# Altium PCB Zilents_TKL.PcbDoc (part 3 of 3)
Units mm, origin at the board's own origin, x right, y up, seen from the top; angles counter-clockwise.
Board outline 1000 x 300 mm, 2 copper layers (Top Layer, Bottom Layer); 442 components, 289 nets, 1638 pads, 43 vias.
Unrouted connection lines stored in the file: 714.
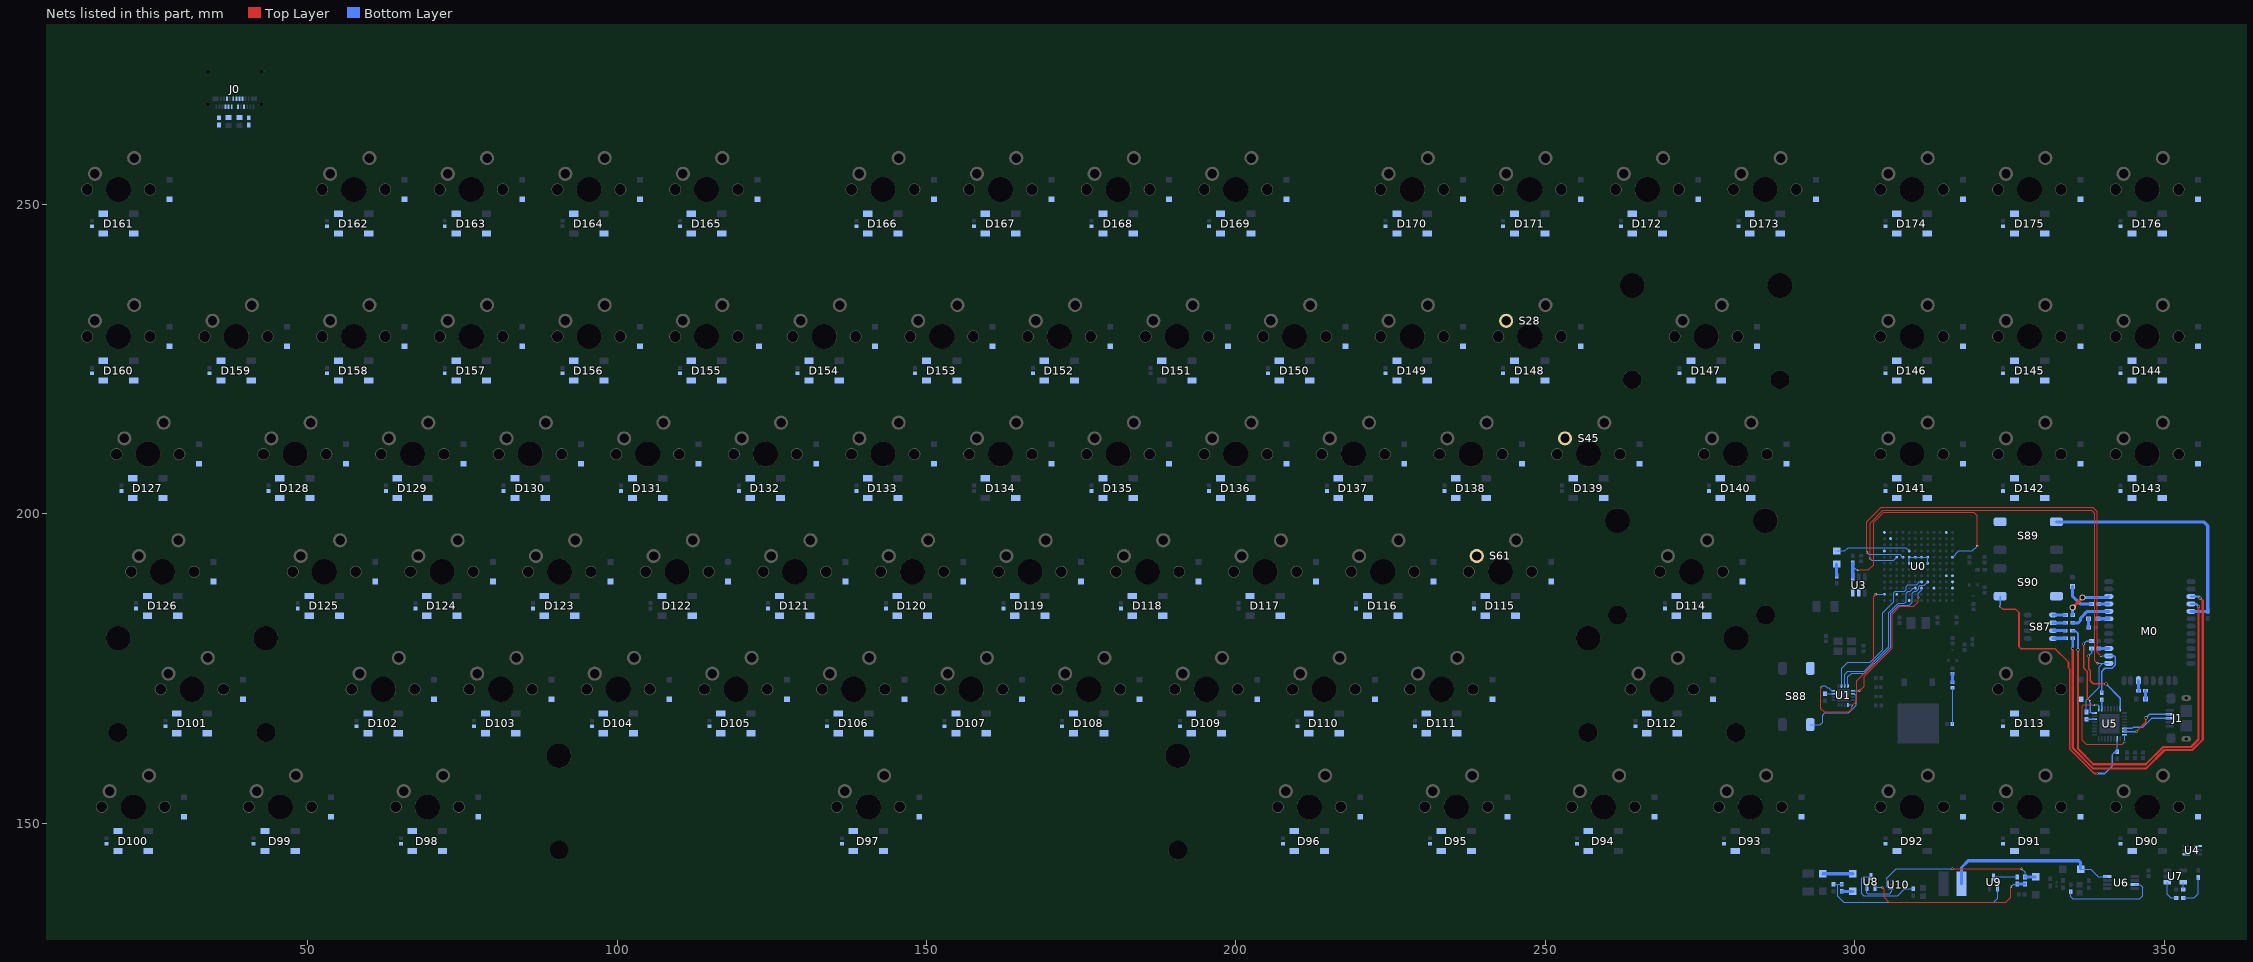
[diagram p3: the nets of this part, all layers, seen from the top]

## Via types
v1: diameter 0.35, hole 0.25, Top Layer to Bottom Layer, 30 vias
v2: diameter 0.5, hole 0.35, Top Layer to Bottom Layer, 9 vias
v3: diameter 1.009, hole 0.65, Top Layer to Bottom Layer, 2 vias
v4: diameter 0.3, hole 0.2, Top Layer to Bottom Layer, 2 vias

## Nets (pads, with @x,y where several pads share a name; then routed paths per layer and width w, separated by ;. In a path a pad name is that pad's centre, name@x,y a point inside that pad or via, vN(x,y) a via of type N, cw(c..) or ccw(c..) an arc to the next point about the centre after c; other vN are vias at no path point) (continued)
NetD94_2: D94.2 D95.4
NetD95_2: D95.2 D96.4
NetD96_2: D96.2 D97.4
NetD97_2: D97.2 D98.4
NetD98_2: D98.2 D99.4
NetD99_2: D99.2 D100.4
NetD100_2: D100.2 D101.4
NetD101_2: D101.2 D102.4
NetD102_2: D102.2 D103.4
NetD103_2: D103.2 D104.4
NetD104_2: D104.2 D105.4
NetD105_2: D105.2 D106.4
NetD106_2: D106.2 D107.4
NetD107_2: D107.2 D108.4
NetD108_2: D108.2 D109.4
NetD109_2: D109.2 D110.4
NetD110_2: D110.2 D111.4
NetD111_2: D111.2 D112.4
NetD112_2: D112.2 D113.4
NetD113_2: D113.2 D114.4
NetD114_2: D114.2 D115.4
NetD115_2: D115.2 D116.4
NetD116_2: D116.2 D117.4
NetD117_2: D117.2 D118.4
NetD118_2: D118.2 D119.4
NetD119_2: D119.2 D120.4
NetD120_2: D120.2 D121.4
NetD121_2: D121.2 D122.4
NetD122_2: D122.2 D123.4
NetD123_2: D123.2 D124.4
NetD124_2: D124.2 D125.4
NetD125_2: D125.2 D126.4
NetD126_2: D126.2 D127.4
NetD127_2: D127.2 D128.4
NetD128_2: D128.2 D129.4
NetD129_2: D129.2 D130.4
NetD130_2: D130.2 D131.4
NetD131_2: D131.2 D132.4
NetD132_2: D132.2 D133.4
NetD133_2: D133.2 D134.4
NetD134_2: D134.2 D135.4
NetD135_2: D135.2 D136.4
NetD136_2: D136.2 D137.4
NetD137_2: D137.2 D138.4
NetD138_2: D138.2 D139.4
NetD139_2: D139.2 D140.4
NetD140_2: D140.2 D141.4
NetD141_2: D141.2 D142.4
NetD142_2: D142.2 D143.4
NetD143_2: D143.2 D144.4
NetD144_2: D144.2 D145.4
NetD145_2: D145.2 D146.4
NetD146_2: D146.2 D147.4
NetD147_2: D147.2 D148.4
NetD148_2: D148.2 D149.4
NetD149_2: D149.2 D150.4
NetD150_2: D150.2 D151.4
NetD151_2: D151.2 D152.4
NetD152_2: D152.2 D153.4
NetD153_2: D153.2 D154.4
NetD154_2: D154.2 D155.4
NetD155_2: D155.2 D156.4
NetD156_2: D156.2 D157.4
NetD157_2: D157.2 D158.4
NetD158_2: D158.2 D159.4
NetD159_2: D159.2 D160.4
NetD160_2: D160.2 D161.4
NetD161_2: D161.2 D162.4
NetD162_2: D162.2 D163.4
NetD163_2: D163.2 D164.4
NetD164_2: D164.2 D165.4
NetD165_2: D165.2 D166.4
NetD166_2: D166.2 D167.4
NetD167_2: D167.2 D168.4
NetD168_2: D168.2 D169.4
NetD169_2: D169.2 D170.4
NetD170_2: D170.2 D171.4
NetD171_2: D171.2 D172.4
NetD172_2: D172.2 D173.4
NetD173_2: D173.2 D174.4
NetD174_2: D174.2 D175.4
NetD175_2: D175.2 D176.4
NetD177_1: D177.1 U0.D8 | length 12.2
  Bottom Layer w0.178: D177.1@297.05,193.95 298.35,193.95 298.884,194.484 308.226,194.484 U0.D8@308.76,193.95
NetD177_2: D177.2 R7.2 | length 2
  Bottom Layer w0.5: R7.2@297.05,189.9 D177.2@297.05,191.85
NetD178_2: D178.2 R13.2 | length 1.4
  Bottom Layer w0.5: D178.2@346.95,170 R13.2@346.95,171.375
NetD179_2: D179.2 R19.2 | length 1.4
  Bottom Layer w0.5: D179.2@337.75,183 337.75,181.625 R19.2@337.775,181.6
NetD180_2: D180.2 R12.2 | length 5.2
  Bottom Layer w0.5: D180.2@335.175,188.205 335.175,186.6 336.375,185.4 R12.2@338.225,185.4
NetD181_2: D181.2 R25.1 | length 5.3
  Bottom Layer w0.178: R25.1@353.04,137.903 354.8,137.903 355.45,138.553 D181.2@355.45,141.192
NetD184_1: D184.1 L0.1 U6.8 | length 28.3
  Bottom Layer w0.178: D184.1@336.46,142.55 338.1,142.55 339.306,141.344 U6.8@340.79,141.344
  Bottom Layer w0.5: L0.1@317.21,140.194 317.21,142.81 318.3,143.9 336.16,143.9 336.46,143.6 D184.1@336.46,142.55
NetF0_2: F0.2 FB0.1 | length 1.4
  Bottom Layer w0.5: F0.2@315.76,172.73 FB0.1@315.76,174.12
NetJ0_A5: J0.A5 R2.2
NetJ0_A6: J0.A6 J0.B6 R4.1
NetJ0_A7: J0.A7 J0.B7 R5.1
NetJ0_B5: J0.B5 R1.2
NetJ1_2: J1.2 U5.15 | length 8.9
  Top Layer w0.25: v2(345.5,164.775) 347,166.275 v2(347,167)
  Bottom Layer w0.25: U5.15@343.55,164.775 v2(345.5,164.775) ; v2(347,167) 347.55,167.55 J1.2@350.847,167.55
NetJ1_3: J1.3 U5.14 | length 8
  Bottom Layer w0.25: U5.14@343.55,165.275 344.78,165.275 345.005,165.5 346.525,165.5 347.925,166.9 J1.3@350.847,166.9
NetM0_5: M0.5 R18.2 S89.3 S89.4 | length 41.2
  Bottom Layer w0.5: S89.4@332.55,198.65 356.35,198.65 357,198 R18.2@357,184.2 M0.5@354.3,184.2
NetR0_1: R0.1 U1.3 | length 1.4
  Bottom Layer w0.178: R0.1@295.15,170.875 U1.3@296.55,170.875
NetR3_2: R3.2 U0.E1 U3.1 | length 40.4
  Top Layer w0.178: v1(300.5,190.9) 302.15,190.9 303,191.75 303,198.605 304.616,200.221 319.179,200.221 319.75,199.65 v1(319.75,194.75)
  Bottom Layer w0.178: 299.65,191.5 300.24,190.91 300.49,190.91 v1(300.5,190.9) ; U0.E1@315.76,192.95 316.76,193.95 318.95,193.95 v1(319.75,194.75)
  Bottom Layer w0.5: U3.1@299.65,189.705 299.65,191.5 R3.2@299.65,192.025
NetR4_2: R4.2 U0.H1
NetR5_2: R5.2 U0.H2
NetR8_1: R8.1 U5.30 | length 1.3
  Bottom Layer w0.25: R8.1@337.4,166.775 U5.30@338.7,166.775
NetR9_1: R9.1 U5.2 | length 1.5
  Bottom Layer w0.25: U5.2@339.875,168.45 R9.1@339.875,169.925
NetR10_1: R10.1 U5.32 | length 13.7
  Top Layer w0.25: v2(336.95,178.95) 336.95,175.05 337.5,174.5 337.5,170.45 337.5,170.2 v1(338,169.7)
  Bottom Layer w0.178: U5.32@338.694,167.781 U5.32@338.7,167.775
  Bottom Layer w0.25: v2(336.95,178.95) 337.4,179.4 R10.1@338.225,179.4 ; v1(338,169.7) 338,167.9 338.119,167.781 U5.32@338.694,167.781
NetR11_1: R11.1 U5.8 | length 13.3
  Top Layer w0.25: v2(337.75,177) 337.75,174.908 338,174.658 338,173 338.5,172.5 v2(340.55,172.5)
  Bottom Layer w0.25: v2(337.75,177) 338.225,177.475 R11.1@338.225,178.2 ; v2(340.55,172.5) 342.875,170.175 U5.8@342.875,168.45
NetR14_2: R14.2 S87.5 | length 2
  Bottom Layer w0.5: S87.5@332,183.615 R14.2@334.025,183.615
NetR15_2: R15.2 S87.6 | length 2
  Bottom Layer w0.5: S87.6@332,182.345 R15.2@334.025,182.345
NetR16_2: R16.2 S87.7 | length 2
  Bottom Layer w0.5: S87.7@332,181.075 R16.2@334,181.075
NetR17_2: R17.2 S87.8 | length 2
  Bottom Layer w0.5: S87.8@332,179.805 332.05,179.855 R17.2@334.025,179.855
NetR20_1: R20.1 S90.3 S90.4 U5.18 | length 47.7
  Top Layer w0.25: v1(323.45,185) 323.95,184.5 326,184.5 326.5,184 326.5,178.5 326.874,178.126 332.374,178.126 334.5,176 334.5,175.05 334.723,174.827 334.723,161.927 338.65,158 v1(339.175,158)
  Bottom Layer w0.2: R20.1@342.375,161.515 U5.18@342.375,163.6
  Bottom Layer w0.25: v1(323.45,185) S90.4@323.45,186.65 ; v1(339.175,158) 340.375,158 341.544,159.169 341.544,161 342.059,161.515 R20.1@342.375,161.515
NetR21_1: R21.1 U9.3 | length 3.9
  Bottom Layer w0.178: U9.3@322.39,141.289 R21.1@326.24,141.289
NetR21_2: R21.2 R31.1 U8.1 | length 28.2
  Top Layer w0.178: v1(304.4,139.6) 304.7,139.3 304.7,138 305.5,137.2 324.4,137.2 325.2,138 v1(325.2,139.707)
  Bottom Layer w0.178: U8.1@303.24,139.599 304.399,139.599 v1(304.4,139.6) ; v1(325.2,139.707) 325.632,140.139 R21.2@326.24,140.139
  Bottom Layer w0.5: R21.2@326.24,140.139 R31.1@327.475,140.139
NetR22_2: R22.2 U8.3 U10.3 | length 13
  Bottom Layer w0.178: U8.3@302.582,141.344 301.4,141.344 301.1,141.044 301.1,138.6 301.43,138.27 306.917,138.27 307.889,139.242 307.889,139.317 307.975,139.403 U10.3@308.05,139.403 R22.2@309.44,139.403
NetR23_1: R23.1 R24.2 U9.1 | length 31.4
  Bottom Layer w0.178: R24.2@296.55,140.099 297.096,140.099 297.2,139.995 ; R23.1@297.85,140.099 297.304,140.099 297.2,139.995 ; U9.1@323.04,139.536 323.04,137.85 322.39,137.2 298.153,137.2 297.2,138.153 297.2,139.995
NetR25_2: R25.2 U7.1 | length 3.6
  Bottom Layer w0.178: U7.1@350.44,140.426 350.44,138.463 351,137.903 R25.2@351.89,137.903
NetR26_2: R26.2 U7.5 | length 1.2
  Bottom Layer w0.178: R26.2@353.04,139.253 U7.5@353.04,140.426
NetR28_1: R28.1 U6.3 | length 15.7
  Bottom Layer w0.178: R28.1@334.85,138.898 334.85,138.05 335.15,137.75 345.997,137.75 346.5,138.253 346.5,139.649 346.1,140.048 U6.3@345.21,140.048
NetS28_0: S28.0 S45.0 S61.0
NetS88_3: S88.3 S88.4 U1.10 | length 11.7
  Bottom Layer w0.178: S88.4@292.79,165.9 294.43,165.9 294.805,166.275 294.805,167.43 295.15,167.775 299.022,167.775 300.242,168.995 300.242,170.55 299.917,170.875 U1.10@299.65,170.875
NetU0_E5: U0.E5 U0.E6 U0.E7 U0.E8 U0.F5 U0.F8 | length 5
  Bottom Layer w0.178: U0.F8@308.76,191.95 U0.E8@308.76,192.95 U0.E7@309.76,192.95 U0.E6@310.76,192.95 U0.E5@311.76,192.95 U0.F5@311.76,191.95
NetU0_J1: U0.J1 U3.6
NetU0_J5: U0.J5 U1.8 | length 24.9
  Bottom Layer w0.178: U1.8@298.85,172.175 298.85,173.6 299.471,174.221 301.616,174.221 305.779,178.384 305.779,183.884 307.1,185.205 308.765,185.205 309.26,185.7 309.26,187.109 309.584,187.433 309.902,187.433 310.294,187.825 310.294,188.143 310.567,188.416 311.226,188.416 U0.J5@311.76,188.95
NetU0_J6: U0.J6 U1.6 | length 26.3
  Bottom Layer w0.178: U1.6@297.85,172.175 297.85,175 298.85,176 302.5,176 304.5,178 304.5,184 306.25,185.75 306.25,187.2 306.5,187.45 308.05,187.45 308.25,187.65 308.25,188.205 308.529,188.484 309.953,188.484 310.226,188.757 310.226,188.846 310.33,188.95 U0.J6@310.76,188.95
NetU0_K1: U0.K1 U3.5
NetU0_K6: U0.K6 U1.9 | length 23.1
  Top Layer w0.178: v1(300.75,171.375) 301.5,172.125 301.5,173.75 306,178.25 306,183.75 307.25,185 309.5,185 310.25,185.75 310.25,186.44 v1(310.26,186.45)
  Bottom Layer w0.178: U1.9@299.65,171.375 v1(300.75,171.375) ; v1(310.26,186.45) 310.26,187.15 310.76,187.65 U0.K6@310.76,187.95
NetU0_K7: U0.K7 U1.7 | length 23.1
  Bottom Layer w0.178: U1.7@298.35,172.175 298.35,174 298.85,174.5 301.5,174.5 305.5,178.5 305.5,184 306.984,185.484 307.994,185.484 308.25,185.74 308.25,187.099 308.635,187.484 308.953,187.484 309.226,187.757 309.226,187.846 309.33,187.95 U0.K7@309.76,187.95
NetU0_L12: U0.L12 U1.4 U1.13 | length 33.4
  Top Layer w0.178: v4(294.5,171.87) 294.5,168.5 295,168 299,168 299.5,168.5 v4(299.5,168.95) 300.25,169.7 300.25,173 303,175.75 303,186.594 303.356,186.95 v1(303.37,186.95)
  Bottom Layer w0.178: v4(294.5,171.87) 294.805,172.175 295.195,172.175 295.5,171.87 295.73,171.87 296.225,171.375 U1.4@296.55,171.375 ; U1.13@298.85,169.075 299.375,169.075 v4(299.5,168.95) ; v1(303.37,186.95) U0.L12@304.76,186.95
NetU5_1: U5.1 U5.16 | length 17.3
  Top Layer w0.178: v1(338.6,169.075) 336.875,169.075 336.7,168.9 336.7,163.4 337.4,162.7 343.15,162.7 v1(343.55,163.1)
  Bottom Layer w0.178: v1(338.6,169.075) 339.25,169.075 339.375,168.95 U5.1@339.375,168.45 ; v1(343.55,163.1) U5.16@343.55,164.275
PIO2: D179.1 M0.19 | length 1.7
  Bottom Layer w0.5: D179.1@339.25,183 M0.19@341,183
PIO3: M0.20 R15.1 | length 6.8
  Bottom Layer w0.5: R15.1@335.175,182.345 336.05,182.345 336.43,182.725 336.43,183.085 337.545,184.2 M0.20@341,184.2
PIO4: M0.22 R14.1 | length 7.9
  Top Layer w0.5: v3(335.175,184.825) 336.8,186.45 v3(336.75,186.45)
  Bottom Layer w0.5: R14.1@335.175,183.615 v3(335.175,184.825) ; v3(336.75,186.45) 340.85,186.45 M0.22@341,186.6
PIO5: M0.21 R12.1 | length 1.6
  Bottom Layer w0.5: R12.1@339.375,185.4 M0.21@341,185.4
PIO6: M0.3 R17.1 | length 66.7
  Top Layer w0.35: v2(335.175,178.175) 335.175,162.114 338.5,158.79 347,158.79 350.002,161.792 354.502,161.792 356.179,163.469 356.179,185.921 v2(355.75,186.35)
  Bottom Layer w0.35: v2(335.175,178.175) R17.1@335.175,179.855 ; M0.3@354.3,186.6 355.5,186.6 v2(355.75,186.35)
PIO7: M0.4 R16.1 | length 64.7
  Top Layer w0.35: v2(336.05,178) 336.05,161.95 338.5,159.5 347,159.5 349.794,162.294 354.294,162.294 355.5,163.5 v2(355.5,185)
  Bottom Layer w0.35: R16.1@335.15,181.075 335.225,181 335.65,181 336.05,180.6 v2(336.05,178) ; M0.4@354.3,185.4 355.1,185.4 v2(355.5,185)
PIO8: M0.31 R13.1 | length 1.6
  Bottom Layer w0.5: R13.1@345.8,171.375 M0.31@345.8,173
RGB: U0.D12 U4.4
Row0: D0.2 D1.2 D2.2 D3.2 D4.2 D5.2 D6.2 D7.2 D8.2 D9.2 D10.2 D11.2 D12.2 D13.2 D14.2 D15.2 U0.A2
Row1: D16.2 D17.2 D18.2 D19.2 D20.2 D21.2 D22.2 D23.2 D24.2 D25.2 D26.2 D27.2 D28.2 D29.2 D30.2 D31.2 D32.2 U0.B11
Row2: D33.2 D34.2 D35.2 D36.2 D37.2 D38.2 D39.2 D40.2 D41.2 D42.2 D43.2 D44.2 D45.2 D46.2 D47.2 D48.2 D49.2 U0.A12
Row3: D50.2 D51.2 D52.2 D53.2 D54.2 D55.2 D56.2 D57.2 D58.2 D59.2 D60.2 D61.2 D62.2 U0.K4
Row4: D63.2 D64.2 D65.2 D66.2 D67.2 D68.2 D69.2 D70.2 D71.2 D72.2 D73.2 D74.2 D75.2 U0.M8
Row5: D76.2 D77.2 D78.2 D79.2 D80.2 D81.2 D82.2 D83.2 D84.2 D85.2 D86.2 U0.L10
RTS: M0.15 R11.2 | length 1.6
  Bottom Layer w0.5: R11.2@339.375,178.2 M0.15@341,178.2
RXD: M0.13 R8.2 U0.E10 | length 82.9
  Top Layer w0.178: v1(302.45,192.75) 302.45,198.45 304.5,200.5 338.25,200.5 338.75,200 338.75,176.225 v1(339.175,175.8)
  Bottom Layer w0.178: v1(302.45,192.75) 302.75,192.45 306.26,192.45 U0.E10@306.76,192.95 ; R8.2@337.4,167.925 337.4,169.825 339.473,171.898 339.473,175.273 340,175.8 ; v1(339.175,175.8) 340,175.8 ; M0.13@341,175.8 340,175.8
TXD: M0.14 R9.2 U0.E9 | length 82.8
  Top Layer w0.178: v1(301.94,193.75) 301.94,198.69 304.25,201 338.425,201 339.175,200.25 339.175,177.575 v1(339.75,177)
  Bottom Layer w0.178: v1(301.94,193.75) 302.24,193.45 307.26,193.45 U0.E9@307.76,192.95 ; v1(339.75,177) M0.14@341,177
  Bottom Layer w0.25: R9.2@339.875,171.075 339.875,174.5 340.375,175 341.544,175 342.053,175.509 342.053,176.822 341.875,177 M0.14@341,177
VBAT: D182.2 R31.2 U8.2 U10.4 | length 33.6
  Top Layer w0.178: v1(315.76,142.6) v1(326.9,142.6)
  Bottom Layer w0.178: U8.2@301.94,139.599 301.94,138.76 302.1,138.6 305.601,138.6 305.95,138.949 U10.4@305.95,139.403 305.397,139.403 305.1,139.7 305.1,141.046 306.654,142.6 v1(315.76,142.6) ; v1(326.9,142.6) 327.475,142.025 R31.2@327.475,141.289
  Bottom Layer w0.5: R31.2@327.475,141.289 D182.2@329.2,141.289
VDD: C1.2 C17.2 C18.2 C19.2 C20.2 C21.2 C22.2 C23.2 C24.2 C25.2 C26.2 C27.2 C28.2 C29.2 C30.2 C31.2 C32.2 C33.2 C34.2 C35.2 C36.2 C37.2 C38.2 C39.2 C40.2 C41.2 C42.2 C43.2 C45.2 C46.2 C47.2 C48.2 C50.2 C51.2 C52.2 C53.2 C54.2 C55.2 C56.2 C57.2 C58.2 C59.2 C60.2 C62.2 C63.2 C64.2 C65.2 C67.2 C68.2 C69.2 C70.2 C71.2 C72.2 C73.2 C74.2 C75.2 C76.2 C77.2 C79.2 C80.2 C81.2 C82.2 C83.2 C84.2 C85.2 C86.2 C87.2 C88.2 C89.2 C90.2 C92.2 C93.2 C94.2 C95.2 C96.2 C97.2 C98.2 C99.2 C100.2 C101.2 C102.2 C103.2 D90.1 D91.1 D92.1 D93.1 D94.1 D95.1 D96.1 D97.1 D98.1 D99.1 D100.1 D101.1 D102.1 D103.1 D104.1 D105.1 D106.1 D107.1 D108.1 D109.1 D110.1 D111.1 D112.1 D113.1 D114.1 D115.1 D116.1 D118.1 D119.1 D120.1 D121.1 D123.1 D124.1 D125.1 D126.1 D127.1 D128.1 D129.1 D130.1 D131.1 D132.1 D133.1 D135.1 D136.1 D137.1 D138.1 D140.1 D141.1 D142.1 D143.1 D144.1 D145.1 D146.1 D147.1 D148.1 D149.1 D150.1 D152.1 D153.1 D154.1 D155.1 D156.1 D157.1 D158.1 D159.1 D160.1 D161.1 D162.1 D163.1 D165.1 D166.1 D167.1 D168.1 D169.1 D170.1 D171.1 D172.1 D173.1 D174.1 D175.1 D176.1 D183.2 D185.2 F0.1 U4.1 | length 10.7
  Bottom Layer w0.178: C1.2@315.74,166.025 315.76,166.045 F0.1@315.76,171.87
  Bottom Layer w0.5: D185.2@294.805,141.809 D183.2@299.65,141.809
VUSB: D183.1 J0.A4 J0.A9 J0.B4 J0.B9 R23.2 | length 1.8
  Bottom Layer w0.5: R23.2@297.85,138.949 D183.1@299.65,138.949
pads on no net: D88.1 D122.1 D176.2 J0.A2 J0.A3 J0.A8 J0.A10 J0.A11 J0.B2 J0.B3 J0.B8 J0.B10 J0.B11 J1.4 M0.2 M0.6 M0.7 M0.8 M0.9 M0.10 M0.17 M0.18 M0.23 M0.24 M0.30 M0.32 M0.33 M0.34 M0.35 S0.2 S0.3 S0.4 S1.2 S1.3 S1.4 S2.2 S2.3 S2.4 S3.2 S3.3 S3.4 S4.2 S4.3 S4.4 S5.2 S5.3 S5.4 S6.2 S6.3 S6.4 S7.2 S7.3 S7.4 S8.2 S8.3 S8.4 S9.2 S9.3 S9.4 S10.2 S10.3 S10.4 S11.2 S11.3 S11.4 S12.2 S12.3 S12.4 S13.2 S13.3 S13.4 S14.2 S14.3 S14.4 S15.2 S15.3 S15.4 S16.2 S16.3 S16.4 S17.2 S17.3 S17.4 S18.2 S18.3 S18.4 S19.2 S19.3 S19.4 S20.2 S20.3 S20.4 S21.2 S21.3 S21.4 S22.2 S22.3 S22.4 S23.2 S23.3 S23.4 S24.2 S24.3 S24.4 S25.2 S25.3 S25.4 S26.2 S26.3 S26.4 S27.2 S27.3 S27.4 S28.2 S28.3 S28.4 S29.2 S29.3 S29.4 S29.5 S29.6 S29.7 S29.8 S30.2 S30.3 S30.4 S31.2 S31.3 S31.4 S32.2 S32.3 S32.4 S33.2 S33.3 S33.4 S34.2 S34.3 S34.4 S35.2 S35.3 S35.4 S36.2 S36.3 S36.4 S37.2 S37.3 S37.4 S38.2 S38.3 S38.4 S39.2 S39.3 S39.4 S40.2 S40.3 S40.4 S41.2 S41.3 S41.4 S42.2 S42.3 S42.4 S43.2 S43.3 S43.4 S44.2 S44.3 S44.4 S45.2 S45.3 S45.4 S46.2 S46.3 S46.4 S47.2 S47.3 S47.4 S48.2 S48.3 S48.4 S49.2 S49.3 S49.4 S50.2 S50.3 S50.4 S51.2 S51.3 S51.4 S52.2 S52.3 S52.4 S53.2 S53.3 S53.4 S54.2 S54.3 S54.4 S55.2 S55.3 S55.4 S56.2 S56.3 S56.4 S57.2 S57.3 S57.4 S58.2 S58.3 S58.4 S59.2 S59.3 S59.4 S60.2 S60.3 S60.4 S61.2 S61.3 S61.4 S62.2 S62.3 S62.4 S62.5 S62.6 S62.7 S62.8 S63.2 S63.3 S63.4 S63.5 S63.6 S63.7 S63.8 S64.2 S64.3 S64.4 S65.2 S65.3 S65.4 S66.2 S66.3 S66.4 S67.2 S67.3 S67.4 S68.2 S68.3 S68.4 S69.2 S69.3 S69.4 S70.2 S70.3 S70.4 S71.2 S71.3 S71.4 S72.2 S72.3 S72.4 S73.2 S73.3 S73.4 S74.2 S74.3 S74.4 S74.5 S74.6 S74.7 S74.8 S75.2 S75.3 S75.4 S76.2 S76.3 S76.4 S77.2 S77.3 S77.4 S78.2 S78.3 S78.4 S79.2 S79.3 S79.4 S79.5 S79.6 S79.7 S79.8 S80.2 S80.3 S80.4 S81.2 S81.3 S81.4 S82.2 S82.3 S82.4 S83.2 S83.3 S83.4 S84.2 S84.3 S84.4 S85.2 S85.3 S85.4 S86.2 S86.3 S86.4 U0.A6 U0.A7 U0.A8 U0.A10 U0.B1 U0.B2 U0.B3 U0.B5 U0.B6 U0.B7 U0.B9 U0.B10 U0.C1 U0.C2 U0.C3 U0.C5 U0.C6 U0.C7 U0.C9 U0.C10 U0.C11 U0.C12 U0.D1 U0.D2 U0.D3 U0.D5 U0.D6 U0.D7 U0.D9 U0.D10 U0.D11 U0.E2 U0.E3 U0.E4 U0.E11 U0.E12 U0.F1 U0.F2 U0.F3 U0.F4 U0.F9 U0.F10 U0.F11 U0.F12 U0.G3 U0.G4 U0.G9 U0.G10 U0.H4 U0.H11 U0.H12 U0.J2 U0.J3 U0.J4 U0.J7 U0.J8 U0.J10 U0.J11 U0.J12 U0.K3 U0.K5 U0.K8 U0.K10 U0.K11 U0.K12 U0.L2 U0.L3 U0.L4 U0.L5 U0.L7 U0.L8 U0.L9 U0.L11 U0.M1 U0.M2 U0.M4 U0.M5 U0.M9 U1.5 U1.11 U1.12 U1.14 U1.15 U1.16 U1.17 U5.3 U5.5 U5.6 U5.7 U5.9 U5.10 U5.11 U5.12 U5.13 U5.21 U5.22 U5.23 U5.25 U5.27 U5.28 U5.29 U5.31 U5.33 U10.6
copper on no net: | length 0
  Bottom Layer w0.5: 318.315,230.82 318.333,230.802

## Text inside footprints (layer, text, board x,y; h text height)
U4: Bottom Overlay "*" at 352.951,144.736 h1.27 r180; Mechanical 13 "*" at 353.852,145.882 h1.27 r180